# KiCad board A64-OlinuXino_Rev_E.kicad_pcb (continued)
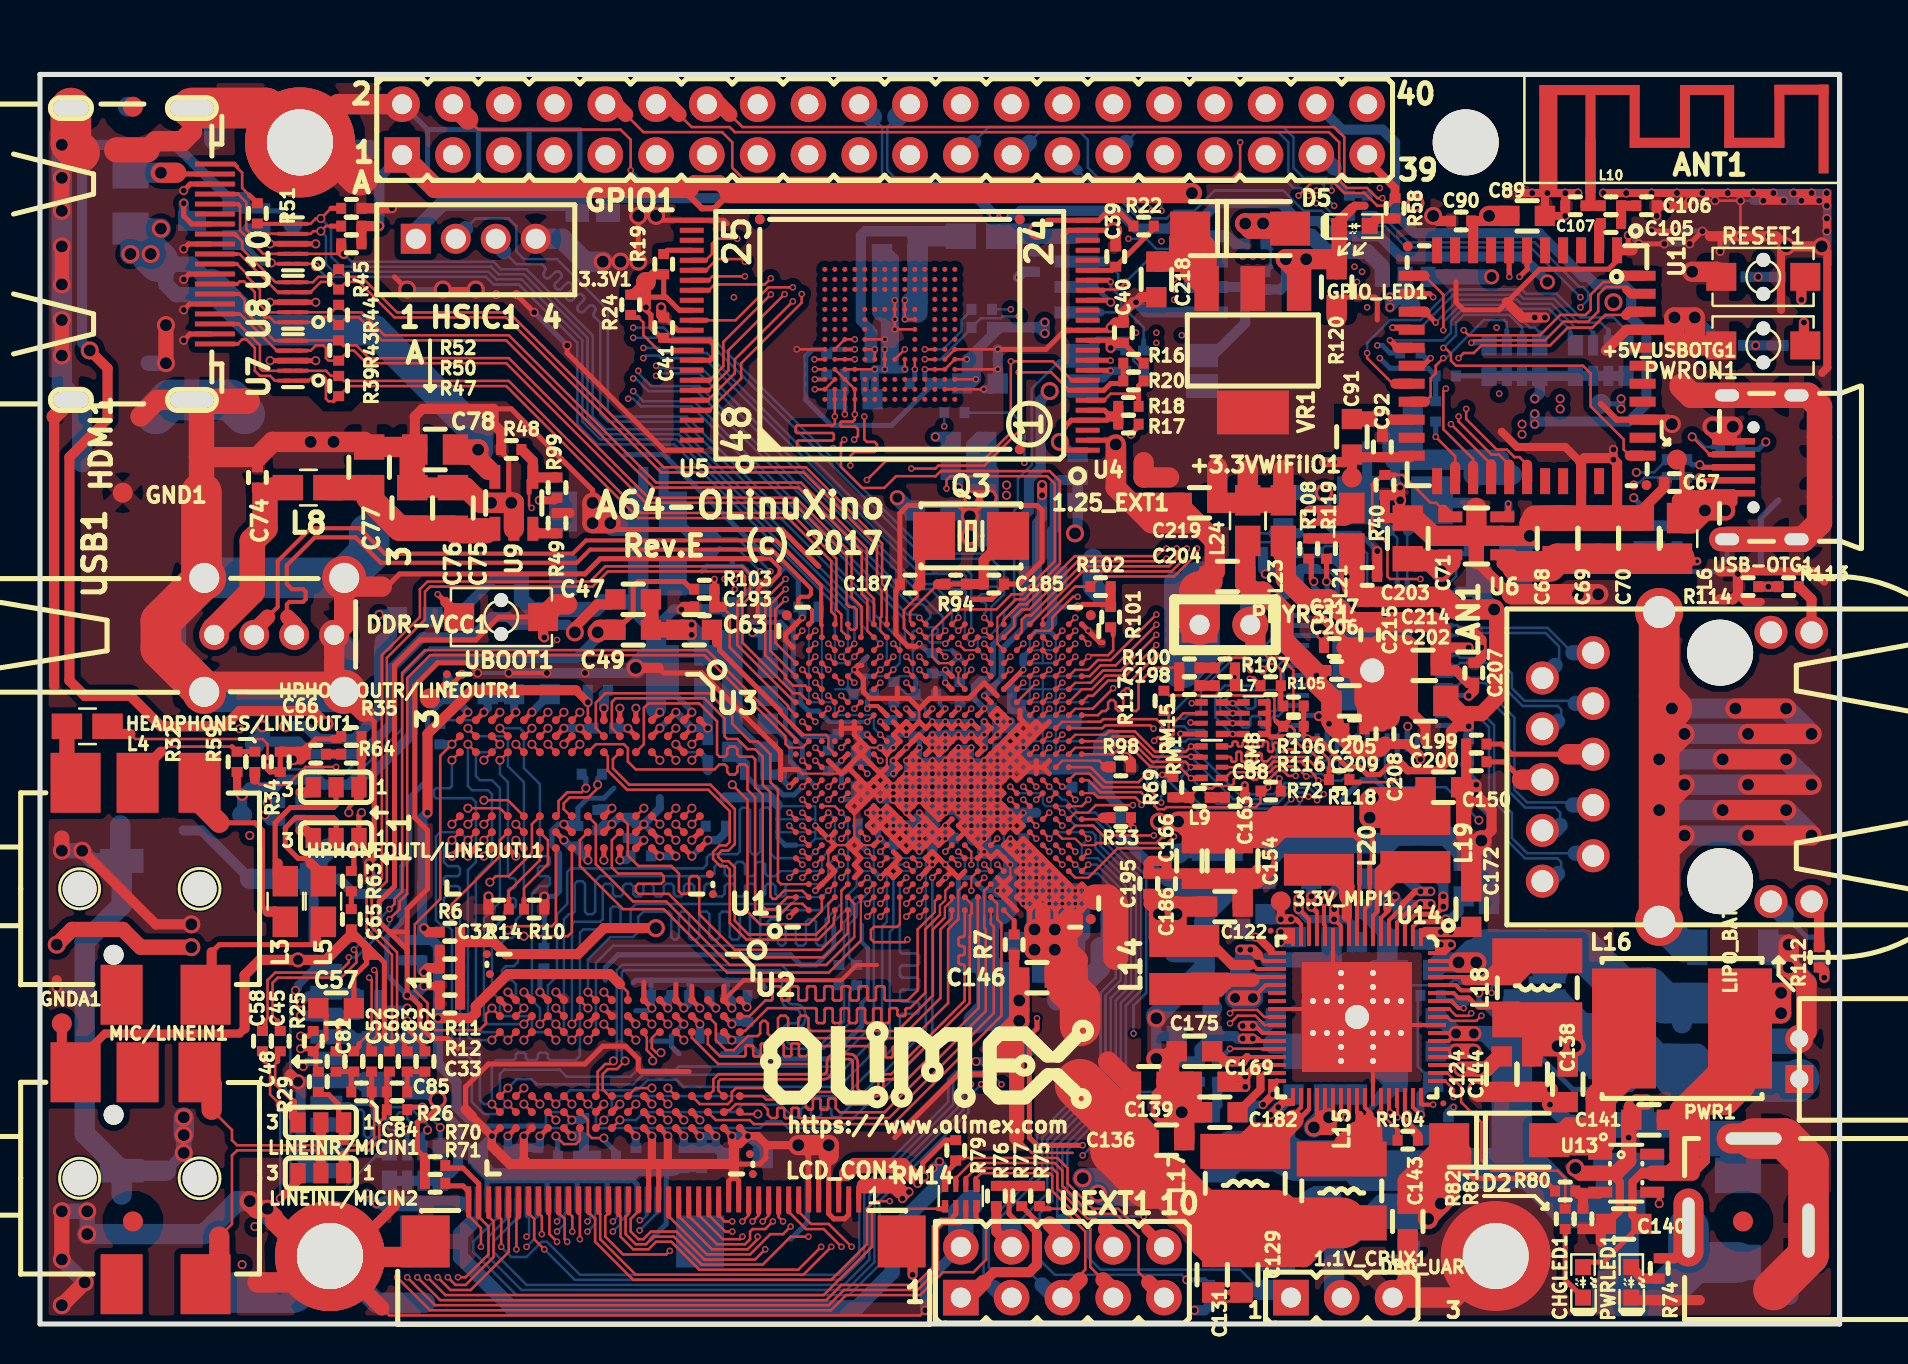
[diagram p0: board, top side]
## Routing (per net, layer and track width the routed paths; a pad name or vN(x,y) marks a point on that pad's centre or on a via; arc(x,y) is an arc through that point) (continued)
GNDA: length 117
  Top w0.254: 15.7,16.31 15.7,17.4 16.33,18.03 16.33,18.34 16.71,18.34 ; v3(18.36,15.16) 18.36,14.78 19.13,14.02 19.13,13.77 C62.2 ; C57.1 15.7,15.67 14.94,14.91 14.94,13.77 C48.1 ; 13.41,28.88 13.79,29.26 14.68,29.26 ; 16.46,18.85 16.33,18.85 ; 16.46,18.85 C65.1 ; 16.46,18.85 16.97,18.34 ; 16.71,18.34 16.33,18.72 ; 16.71,18.34 16.97,18.34 ; 15.32,19.23 15.95,19.23 ; 16.97,18.34 17.22,18.08 17.22,14.28 ; U1.A11 v4(37.47,26.88)
  Top w0.406: 1.53,12.81 3.25,14.53 9.98,14.53 10.24,14.78 ; 15.57,19.48 15.7,19.48 16.33,18.85 16.33,18.34 ; 14.68,29.26 14.94,29.26 R35.1 ; 13.41,28.88 13.16,28.63 C66.1 ; MIC/LINEIN1.2 1.78,12.81
  Top w0.508: 10.24,14.78 10.24,17.45 11,18.21 v1(12.9,18.21) 14.3,18.21 15.57,19.48 ; GNDA1.1 1.09,13.28 MIC/LINEIN1.2 ; v6(12.65,28.25) 13.03,28.25 C66.1 13.16,28.63 R34.1 ; C65.1 15.57,19.61 ; C49.2 30.56,34.98 ; v3(32.59,34.98) 32.08,34.98 C63.2 32.08,34.47 v3(32.59,34.47) v3(32.59,34.98)
  Top w0.762: 30.56,34.98 C47.1 ; C63.2 C49.2
  In2.Cu w0.254: v1(12.9,18.21) 12.9,17.58 13.79,16.69 14.81,16.69 16.33,15.16 v3(18.36,15.16)
  In2.Cu w0.508: v1(12.9,18.21) 12.39,18.72 12.39,27.99 v6(12.65,28.25)
  In4.Cu w0.508: 31.76,34.98 32.27,34.47 v3(32.59,34.47) v3(32.59,34.98) 31.76,34.98 ; 31.76,34.98 31.13,35.61 25.48,35.61 23.19,33.33 18.87,33.33 17.98,32.44 17.98,30.9 16.34,29.26 13.69,29.26 12.68,28.25 v6(12.65,28.25)
  Bottom w0.254: 39.45,29.39 39.78,29.39 C46.2 ; 39.45,29.39 38.18,29.39 37.67,29.9 37.67,31.67 37.29,32.06 37.29,34.85 37.03,35.1 35.25,35.1 35,34.85 35,34.59 C54.1 ; 39.45,29.39 39.57,29.26 39.57,28.83 C50.1
  Bottom w0.305: C51.2 37.09,27.26 v4(37.47,26.88) ; 34.82,30.02 36.22,28.63 ; 36.14,28.63 C59.2 ; C53.2 34.75,30.02
  Bottom w0.508: C51.2 37.07,27.48 R27.2 36.27,28.5 C59.2 ; 32.59,34.34 33.22,33.71 R36.2 33.22,34.34 v3(32.59,34.98) v3(32.59,34.47) 32.59,34.34
  Bottom w1.016: R36.2 34.49,33.45 34.62,33.58 ; C53.2 C55.2 C56.1 34.62,33.58 ; C54.1 34.62,33.58
VBAT: length 28.2
  Top w0.203: v3(71.96,16.56) 71.83,16.69 71.07,16.69 70.8,16.95 U14.64
  Bottom w0.254: v3(71.96,16.56) 71.96,16.18 72.85,15.29 74.24,15.29 75.01,14.53 75.01,13.39 76.66,11.73 79.58,11.73 R78.2
  Bottom w1.016: C135.2 80.97,13.51 R78.2 81.36,13.51 82.88,13.51 83.39,13 83.39,12.37
  Bottom w1.524: R78.2 81.74,12.37
  Bottom w2.032: 81.74,12.37 83.39,12.37 83.64,12.12 C180.2 87.85,12.12 LIPO_BAT1.1
VCC-PC: length 78.8
  Top w0.127: v4(40.75,48.75) U5.C6 ; U5.P3 v4(46.8,47.25) ; v4(44.25,47.75) U5.M4 U5.N4 U5.P5 v4(46.35,48.25)
  Top w0.254: U1.R16 v4(47.22,30.78)
  In2.Cu w0.508: 51.15,50.45 v3(50.25,49.55) v3(50.25,50.1) 50.62,50.47 55.07,50.47 55.32,50.22 66.88,50.22 v3(67.51,50.85) v3(67.51,51.36)
  In3.Cu w0.508: v3(50.25,49.55) 50.5,49.3 50.5,46.66 v2(50.5,46.66)
  Bottom w0.254: v4(40.75,48.75) 39.59,48.75 R67.2 39.32,48.51 39.08,48.75 38.65,48.75 38.3,48.4 38.3,46.22 39.57,44.95 42.6,44.95 44.51,46.86 R23.2 44.25,47.31 v4(44.25,47.75)
  Bottom w0.305: 48.72,35.48 48.72,35.03 47.66,33.97 47.66,32.53 47.4,32.27 ; 47.4,32.27 47.37,32.27 ; 47.4,32.27 47.07,32.27 46.7,31.9 46.7,31.3 v4(47.22,30.78) 47.25,30.8 C34.2
  Bottom w0.508: 68.02,51.36 67.89,51.23 67.89,51.36 v3(67.51,51.36) v3(67.51,50.85) 68.02,51.36 ; 68.02,51.36 68.15,51.36 VCC-PC1.1 ; 49.65,49.85 50,49.85 v3(50.25,50.1) v3(50.25,49.55) 49.95,49.85 49.65,49.85 ; 49.65,49.85 48.1,49.85 ; C35.2 46.89,47.82 ; C35.2 46.6,48.25 ; C35.2 46.89,48.74 ; 46.89,47.82 46.8,47.73 v4(46.8,47.25) ; 46.89,47.82 C36.2 ; v4(46.35,48.25) 46.8,47.8 v4(46.8,47.25) ; v4(46.35,48.25) 46.35,47.28 C36.2 ; v4(46.35,48.25) 46.6,48.25 ; 48.72,35.48 49.22,35.99 49.22,40.44 49.46,40.67 49.46,42.23 50.05,42.82 50.05,46.21 v2(50.5,46.66) ; v4(46.8,47.25) 46.59,47.04 C36.2 ; v4(46.8,47.25) 46.32,47.25 C36.2 ; 48.1,49.85 48,49.85 47.61,49.46 ; 48.1,49.85 R21.2 47.61,49.46 ; 46.6,48.25 46.4,48.25 46.89,48.74 ; 47.61,49.46 46.89,48.74 ; C36.2 44.52,47.04 R23.2
  Bottom w0.762: 67.89,51.36 68.28,51.74 PWR_PC1.2
VCC-PE: length 90.3
  Top w0.203: v3(60.66,14.91) 60.78,14.91 61.14,14.55 U14.28
  Top w0.508: v3(60.66,14.91) v3(60.15,14.91)
  In2.Cu w0.508: v3(74.12,45.01) v3(74.12,44.5) 73.99,44.37 72.85,44.37 70.94,42.47 57.61,42.47 56.34,41.2 53.42,41.2 51.76,39.55 v2(51.76,39.55)
  In3.Cu w0.508: GPIO1.40 67.77,59.61 67.77,54.66 69.04,53.39 70.31,53.39 72.59,51.1 73.48,51.1 74.12,50.47 v3(74.12,45.01) v3(74.12,44.5) 73.23,43.61 72.71,43.61 70.68,41.58 69.67,41.58 67.51,39.42 66.62,39.42 66.12,38.91 66.12,38.41 66.62,37.9 66.62,36.75 64.85,34.98 64.85,34.21 64.59,33.96 64.59,30.91 65.23,30.28 65.23,27.61 64.97,27.36 64.97,24.31 65.38,23.9 65.38,20.02 64.97,19.61 63.83,19.61 61.54,17.32 61.54,15.8 v3(60.66,14.91) v3(60.15,14.91)
  Bottom w0.508: v2(51.76,39.55) 51.89,39.68 3.3V/VCC-PE:2.8V1.1 ; v3(60.15,14.91) v3(60.66,14.91) 61.42,14.91 C171.1
VCC-PL: length 104.2
  Top w0.203: 61.04,14.15 60.78,14.15 v3(60.66,14.28) 60.92,14.28 61.04,14.15 ; 61.04,14.15 U14.29
  Top w0.254: v4(42.68,30.78) U1.J16
  Top w0.508: v3(60.66,14.28) v3(60.15,14.28)
  In2.Cu w0.107: 43,33.7 43,32.4 43.53,32.4 43.65,32.53 43.65,33.71 43.65,33.7 ; 42.35,32.4 42.35,34.35
  In2.Cu w0.127: 43,33.7 43,33.83 43.13,33.96 43.4,33.96 43.65,33.71
  In2.Cu w0.254: 42.35,32.4 42.68,32.08 43,32.4 ; 43.13,33.96 43.13,34.22 42.68,34.67 42.35,34.67
  In2.Cu w0.305: 42.35,34.35 42.35,34.67
  In2.Cu w0.406: 42.68,32.08 v4(42.68,30.78)
  In2.Cu w0.508: v3(76.02,45.77) v3(76.02,46.28) 75.39,46.91 74.14,46.91 73.13,45.9 72.34,45.9 70.18,43.74 56.84,43.74 55.57,42.47 50.6,42.47 49.47,43.6 45.2,43.6 43.64,42.03 43.64,40.82 42.75,39.93 42.75,35.48 42.49,35.23 42.49,34.67
  In3.Cu w0.508: v3(76.02,46.28) v3(76.02,45.77) 76.02,45.39 73.61,42.98 72.97,42.98 70.94,40.95 70.05,40.95 67.26,38.15 67.26,36.37 65.61,34.72 65.61,33.96 65.35,33.71 65.35,31.17 65.99,30.53 65.99,27.36 65.61,26.97 65.61,24.69 66.07,24.23 66.07,19.69 65.35,18.97 64.21,18.97 62.18,16.94 62.18,15.42 61.04,14.28 v3(60.66,14.28) v3(60.15,14.28)
  Bottom w0.254: C109.1 42.68,31.07 v4(42.68,30.78)
  Bottom w0.406: VCC-PL1.1 C173.1
  Bottom w0.508: R90.2 R88.2 57.99,13.77 C173.1 59.77,14.4 59.89,14.28 v3(60.15,14.28) v3(60.66,14.28)
VDDFB-CPUX: length 36.9
  Top w0.127: v3(65.35,10.34) 65.06,10.63 65.06,10.69 ; U1.T6 v4(47.88,24.28)
  Top w0.203: v3(65.35,10.34) 65.46,10.45 U14.42 ; U14.41 65.06,10.69
  Top w0.254: v4(49.86,15.29) 49.86,14.78 49.48,14.4 49.48,9.32 49.86,8.94 v4(52.15,8.94)
  In2.Cu w0.107: 48.2,24.6 48.85,24.6 ; 49.5,23.95 49.5,20.7
  In2.Cu w0.127: 48.85,24.6 49.5,23.95 ; v4(49.86,15.29) 49.86,17.58 48.97,18.47 48.97,19.99 49.5,20.52 49.5,20.7 ; v4(47.88,24.28) 48.2,24.6
  In3.Cu w0.254: v3(65.35,10.34) 65.35,9.96 64.34,8.94 v4(52.15,8.94)
/NAND Flash , eMMC, T-Card and Audio/HP-DET: length 41.9
  Top w0.127: v4(14.81,27.86) 13.28,27.86 12.39,26.97 11,26.97 10.74,27.23 ; U1.D11 v4(39.43,26.88)
  Top w0.508: R59.2 10.74,27.23
  In2.Cu w0.107: 38.18,30.78 38.29,30.67 38.72,30.67 39.43,29.97 v4(39.43,26.88)
  In2.Cu w0.127: v4(14.81,27.86) 14.94,27.99 15.7,27.99 17.6,29.9 17.6,32.82 20.02,35.23 20.52,35.23 22.56,37.26 23.57,37.26 24.08,36.75 31.7,36.75 33.99,34.47 33.99,34.09 34.87,33.2 35.51,33.2 36.65,32.06 36.91,32.06 38.18,30.78
/NAND Flash , eMMC, T-Card and Audio/HPOUTFB: length 48.8
  Top w0.127: v4(38.78,26.22) U1.C10 ; v4(11.38,28.12) 11.38,29.01 11.12,29.26 4.78,29.26 4.52,29.52
  Top w0.254: v4(11.38,28.12) 11.38,27.74 11.51,27.61 R34.2
  Top w0.508: 4.52,29.52 3.76,29.52 L4.1
  In2.Cu w0.107: U1.C10 39.1,29.15
  In2.Cu w0.127: 39.1,29.15 38.58,29.67 38.05,29.67 36.69,31.04 36.14,31.04 35,32.18 32.72,32.18 30.43,34.47 28.91,34.47 28.27,33.83 26.24,33.83 v4(25.86,34.21) ; v4(38.78,26.22) U1.C10
  Bottom w0.127: v4(11.38,28.12) 11.76,27.74 14.17,27.74 14.43,27.48 15.19,27.48 15.7,27.99 16.33,27.99 18.11,29.77 18.11,32.44 19.51,33.83 25.48,33.83 v4(25.86,34.21)
/NAND Flash , eMMC, T-Card and Audio/HPOUTL: length 33.8
  Top w0.127: v4(38.78,28.83) U1.C13
  Top w0.254: R63.2 15.7,22.78 15.7,24.05 HPHONEOUTL/LINEOUTL1.1 15.95,25.45 v3(16.08,25.58)
  In2.Cu w0.203: v3(16.08,25.58) 16.2,25.58 19.25,28.63 19.25,31.93 20.78,33.45 28.78,33.45 29.29,33.96 30.3,33.96 32.46,31.8 34.75,31.8 35.89,30.66 36.65,30.66 38.18,29.13 38.47,29.13 v4(38.78,28.83)
/NAND Flash , eMMC, T-Card and Audio/HPOUTR: length 35.9
  Top w0.127: v4(38.78,28.17) U1.C12
  Top w0.203: 15.95,26.34 15.44,25.83 v3(15.44,25.58)
  Top w0.406: R35.2 R64.2 16.08,26.97 HPHONEOUTR/LINEOUTR1.1
  Top w0.508: 15.95,26.34 HPHONEOUTR/LINEOUTR1.1
  In2.Cu w0.203: v3(15.44,25.58) 15.44,25.45 15.82,25.07 16.33,25.07 19.63,28.37 19.63,31.8 20.9,33.07 29.03,33.07 29.54,33.58 30.05,33.58 32.21,31.42 34.49,31.42 35.64,30.28 36.53,30.28 38.05,28.75 38.2,28.75 v4(38.78,28.17)
/NAND Flash , eMMC, T-Card and Audio/LINEINL: length 45.6
  Top w0.107: 38.12,28.83 37.47,28.83
  Top w0.127: 11.25,15.16 11.38,15.29 11.38,17.2 11.76,17.58 14.94,17.58 15.44,18.08 v4(15.44,18.34) ; U1.B14 38.12,28.83 ; v4(17.47,20.24) 17.98,20.75 17.98,21.13 18.36,21.51 18.36,32.31 19.51,33.45 33.22,33.45 37.29,29.39 37.29,29.01 37.47,28.83
  Top w0.254: 11.25,15.16 11.25,14.78 C58.2
  Bottom w0.127: v4(15.44,18.34) 15.82,18.34 17.47,19.99 v4(17.47,20.24)
/NAND Flash , eMMC, T-Card and Audio/LINEINR: length 44.8
  Top w0.127: U1.A14 37.8,29.26 33.35,33.71 19.25,33.71 18.11,32.56 18.11,21.64 17.73,21.26 17.73,21.01 v4(17.47,20.75) ; 11.89,15.16 11.63,15.42 11.63,17.07 11.89,17.32 15.06,17.32 15.82,18.08 15.82,18.59 v4(15.7,18.72)
  Top w0.254: 11.89,15.16 11.89,14.78 C45.2
  Bottom w0.127: v4(15.7,18.72) 17.09,20.12 17.09,20.37 v4(17.47,20.75)
/NAND Flash , eMMC, T-Card and Audio/LINEOUTL: length 42.9
  Top w0.127: U1.D16 v4(40.07,30.78)
  In2.Cu w0.107: 39.75,31.1 39.75,31.58 39.57,31.75 38.45,31.75
  In2.Cu w0.127: v4(40.07,30.78) 39.75,31.1 ; v3(11.25,25.45) 10.74,25.96 10.74,28.63 11.51,29.39 15.19,29.39 16.71,30.91 16.71,33.33 19.51,36.12 20.14,36.12 22.17,38.15 24.33,38.15 24.97,37.52 32.21,37.52 35,34.72 35,34.47 35.38,34.09 35.89,34.09 37.03,32.94 37.26,32.94 38.45,31.75
  Bottom w0.508: v3(11.25,25.45) 11.51,25.2 C87.1
/NAND Flash , eMMC, T-Card and Audio/LINEOUTR: length 41
  Top w0.127: U1.C16 v4(39.43,30.78)
  In2.Cu w0.107: 38.43,31.27 38.6,31.1 39.1,31.1 v4(39.43,30.78)
  In2.Cu w0.127: 38.43,31.27 37.01,32.69 36.91,32.69 35.76,33.83 35.13,33.83 34.75,34.21 34.75,34.59 32.08,37.26 24.71,37.26 24.08,37.9 22.3,37.9 20.27,35.86 19.76,35.86 16.97,33.07 16.97,30.78 15.32,29.13 11.63,29.13 11,28.5 11,26.34 11.25,26.09 v3(11.38,26.09)
  Bottom w0.508: 11.76,26.09 v3(11.38,26.09) C86.1
/NAND Flash , eMMC, T-Card and Audio/MBIAS: length 53.8
  Top w0.127: U1.E14 v4(40.07,28.83)
  Top w0.254: v3(13.03,14.4) 13.41,14.4 R25.2
  In2.Cu w0.107: 38.3,31.03 38.45,30.89 38.83,30.89 40.07,29.64 v4(40.07,28.83)
  In2.Cu w0.127: v3(13.03,14.4) 12.52,14.4 12.14,14.78 12.14,17.83 11.89,18.08 11.89,28.37 12.27,28.75 15.82,28.75 17.35,30.28 17.35,32.94 19.89,35.48 20.4,35.48 22.43,37.52 23.7,37.52 24.21,37.01 31.83,37.01 34.24,34.59 34.24,34.21 35,33.45 35.64,33.45 36.78,32.31 37.03,32.31 38.3,31.03
/NAND Flash , eMMC, T-Card and Audio/MICIN1N: length 47.5
  Top w0.127: v4(16.46,17.32) 16.59,17.2 16.59,14.66 15.95,14.02 ; U1.B16 v4(38.78,30.12)
  Top w0.254: 15.95,14.02 15.95,13.89 C82.2
  In2.Cu w0.107: 37.92,30.66 38.13,30.45 38.45,30.45 v4(38.78,30.12)
  In2.Cu w0.127: 37.92,30.66 36.88,31.7 36.45,31.7 35.31,32.84 33.1,32.84 29.95,35.99 23.95,35.99 23.44,35.48 22.17,35.48 21.16,34.47 20.52,34.47 18.36,32.31 18.36,29.13 15.95,26.72 15.19,26.72 14.43,25.96 14.43,18.21 15.21,17.42 16.36,17.42 v4(16.46,17.32)
/NAND Flash , eMMC, T-Card and Audio/MICIN1P: length 46.2
  Top w0.127: v4(16.71,17.7) 16.84,17.58 16.84,14.4 16.46,14.02 ; U1.B15 v4(38.12,30.12)
  Top w0.254: 16.46,14.02 16.46,13.77 C52.2
  In2.Cu w0.127: v4(16.71,17.7) 15.32,17.7 14.71,18.31 14.71,25.83 15.32,26.44 16.08,26.44 18.64,29.01 18.64,32.18 20.65,34.19 21.28,34.19 22.3,35.2 23.57,35.2 24.08,35.71 29.82,35.71 32.97,32.56 35.18,32.56 36.32,31.42 36.78,31.42 38.07,30.12 v4(38.12,30.12)
/NAND Flash , eMMC, T-Card and Audio/MICIN2N: length 49.1
  Top w0.127: U1.A17 37.73,31.1 34.87,33.96 34.87,36.12 35.25,36.5 35.25,37.39 35,37.64 28.4,37.64 27.64,36.88 19.51,36.88 19.25,36.63 19.25,35.23 17.35,33.33 17.35,22.15 16.59,21.39 16.59,19.86 17.86,18.59 17.86,14.4 18.24,14.02
  Top w0.254: 18.24,14.02 18.24,13.77 C83.2
/NAND Flash , eMMC, T-Card and Audio/MICIN2P: length 50.1
  Top w0.127: 35.13,37.9 35.51,37.52 35.51,36.37 35.13,35.99 35.13,34.09 37.67,31.55 38,31.55 U1.B17 ; 35.13,37.9 35.13,37.9 ; 35.13,37.9 28.27,37.9 27.51,37.13 19.38,37.13 19,36.75 19,35.36 17.09,33.45 17.09,22.28 16.33,21.51 16.33,19.74 17.6,18.47 17.6,14.02
  Top w0.254: 17.6,14.02 17.6,13.77 C60.2
/NAND Flash , eMMC, T-Card and Audio/NAND0-DQ0/SDC2-D0: length 37.4
  Top w0.127: 33.29,53.2 33.6,53.52 33.6,54.03 33.86,54.28 v4(34.87,54.28) ; U5.A3 v4(38.75,47.25) ; U1.M21 v4(45.28,33.38)
  Top w0.254: U4.29 33.29,53.2
  In3.Cu w0.107: U1.M21 44.95,35
  In3.Cu w0.127: v4(45.28,33.38) U1.M21 ; v4(34.87,54.28) 36,53.15 36,51.26 37.15,50.12 38.21,50.12 39.3,49.03 39.3,47.8 v4(38.75,47.25) 38.24,46.74 38.24,45.58 39,44.82 42.69,44.82 44.46,43.05 44.46,40.67 44.56,40.56 44.97,40.56 45.03,40.5 45.03,40.25 44.97,40.18 44.53,40.18 44.46,40.12 44.46,39.87 44.53,39.8 44.97,39.8 45.03,39.74 45.03,39.48 44.97,39.42 44.53,39.42 44.46,39.35 44.46,39.11 44.53,39.04 44.97,39.04 45.03,38.98 45.03,38.72 44.97,38.66 44.53,38.66 44.46,38.59 44.46,38.34 44.53,38.28 44.97,38.28 45.03,38.21 45.03,37.83 44.97,37.77 44.72,37.77 44.65,37.71 44.65,36.75 44.46,36.56 44.46,36.25 44.95,35.76 44.95,35
  Bottom w0.254: R67.1 39.11,47.25 v4(38.75,47.25)
/NAND Flash , eMMC, T-Card and Audio/NAND0-DQ1/SDC2-D1: length 32.4
  Top w0.127: 33.3,52.7 33.86,53.26 35.13,53.26 v4(35.25,53.14) ; U5.A4 v4(38.75,47.75) ; v4(43.97,32.72) U1.L19
  Top w0.254: U4.30 33.3,52.7
  In3.Cu w0.127: v4(43.97,32.72) 44.62,33.38 44.62,35.7 44.23,36.1 44.23,36.71 44.4,36.88 44.4,37.71 44.23,37.88 44.23,42.95 42.61,44.56 38.87,44.56 37.92,45.52 37.92,46.92 v4(38.75,47.75) 39.07,48.07 39.07,48.93 38.12,49.88 37.05,49.88 35.65,51.28 35.65,52.74 v4(35.25,53.14)
  Bottom w0.254: 35.27,53.15 v4(35.25,53.14)
/NAND Flash , eMMC, T-Card and Audio/NAND0-DQ2/SDC2-D2: length 33.6
  Top w0.127: U1.K20 v4(43.32,33.38) ; 33.43,52.2 33.63,52.4 v4(35.25,52.4) ; U5.A5 v4(38.73,48.25)
  Top w0.254: U4.31 33.43,52.2
  In3.Cu w0.127: v4(35.25,52.4) 35.25,51.35 36.96,49.65 38.02,49.65 38.73,48.94 v4(38.73,48.25) 38.4,47.92 37.97,47.92 37.71,48.18 37.29,48.18 37.16,48.06 37.16,47.8 37.29,47.68 37.54,47.68 37.67,47.55 37.67,47.3 37.54,47.17 37.29,47.17 37.16,47.04 37.16,46.79 37.29,46.66 37.54,46.66 37.67,46.53 37.67,46.28 37.54,46.15 37.29,46.15 37.16,46.02 37.16,45.77 37.29,45.64 37.54,45.64 37.67,45.52 37.67,45.26 37.54,45.14 37.29,45.14 37.16,45.01 37.16,44.76 37.29,44.63 37.86,44.63 38.05,44.44 38.05,44.12 38.18,43.99 38.49,43.99 38.68,44.18 39.77,44.18 40.1,43.85 41.62,43.85 42.24,43.23 42.24,41.07 43.32,39.99 v4(43.32,33.38)
/NAND Flash , eMMC, T-Card and Audio/NAND0-DQ3/SDC2-D3: length 37.7
  Top w0.127: 33.44,51.7 33.73,51.99 36.24,51.99 v4(36.55,52.3) ; U5.B2 v4(39.75,45.39) 39.75,45.03 39.66,44.95 37.86,44.95 37.79,44.88 37.79,44.63 37.86,44.56 39.64,44.56 39.7,44.5 39.7,44.26 39.62,44.18 37.92,44.18 37.86,44.12 37.86,43.87 37.91,43.81 v4(39.67,43.81) ; U1.H20 v4(42.68,33.38)
  Top w0.254: U4.32 33.44,51.7
  In3.Cu w0.107: 43,33.7 43,34.35
  In3.Cu w0.127: 43,34.35 43,35.17 ; 43,35.17 43,35.23 ; 43,35.17 43,39.93 41.99,40.95 41.99,42.85 41.54,43.29 41.54,43.55 41.48,43.61 41.35,43.61 41.29,43.55 41.29,43.36 41.22,43.29 41.1,43.29 41.03,43.36 41.03,43.55 40.97,43.61 40.84,43.61 40.78,43.55 40.78,43.36 40.72,43.29 40.53,43.29 40.46,43.36 40.46,43.55 40.4,43.61 40.27,43.61 40.14,43.48 40,43.48 v4(39.67,43.81) ; v4(39.75,45.39) 39.77,45.41 39.77,49.22 38.41,50.58 37.34,50.58 36.9,51.03 36.9,51.95 v4(36.55,52.3) ; v4(42.68,33.38) 43,33.7
/NAND Flash , eMMC, T-Card and Audio/NAND0-DQ4/SDC2-D4: length 37.2
  Top w0.107: 45.93,32.08 v4(45.93,32.72)
  Top w0.127: v4(38.75,46.75) 39.25,46.75 U5.B3 ; 33.48,47.2 34.18,47.9 34.18,49.12 v4(36.55,51.5) ; U1.P18 45.93,32.08
  Top w0.254: 33.44,47.2 33.48,47.2 U4.41
  In3.Cu w0.107: 45.29,35.31 45.6,35 45.6,33.05
  In3.Cu w0.127: v4(36.55,51.5) 36.55,51.05 37.25,50.35 38.31,50.35 39.53,49.13 39.53,47.53 v4(38.75,46.75) 38.75,46.34 38.81,46.28 39.32,46.28 39.38,46.22 39.38,46.02 39.32,45.96 38.68,45.96 38.62,45.9 38.62,45.71 38.68,45.64 39.32,45.64 39.38,45.58 39.38,45.39 39.32,45.33 39.13,45.33 39.06,45.26 39.06,45.14 39.14,45.06 42.78,45.06 44.69,43.15 44.69,41.41 45.29,40.82 45.29,37.71 44.97,37.39 44.97,36.12 45.29,35.8 45.29,35.31 ; v4(45.93,32.72) 45.6,33.05
/NAND Flash , eMMC, T-Card and Audio/NAND0-DQ5/SDC2-D5: length 39.9
  Top w0.127: U5.B4 40.75,46.75 v4(40.75,45.5) 40.75,45.23 40.65,45.14 40.08,45.14 40.02,45.07 40.02,44.95 40.08,44.88 40.78,44.88 40.91,44.76 40.91,44.42 v4(40.72,44.23) ; v4(37.23,51.51) 34.43,48.7 34.43,47.7 33.43,46.7 ; U1.L20 v4(43.97,33.38)
  Top w0.254: U4.42 33.43,46.7
  In3.Cu w0.107: 44.3,33.7 44.3,35.65
  In3.Cu w0.127: v4(43.97,33.38) 44.3,33.7 ; v4(40.72,44.23) 42.57,44.23 42.94,43.87 42.94,43.68 42.88,43.61 42.56,43.61 42.49,43.55 42.49,43.36 42.56,43.29 42.88,43.29 42.94,43.23 42.94,43.04 42.88,42.98 42.56,42.98 42.49,42.91 42.49,42.72 42.56,42.66 42.88,42.66 42.94,42.6 42.94,42.41 42.88,42.34 42.56,42.34 42.49,42.28 42.49,41.96 42.56,41.9 43.07,41.9 43.19,42.02 43.19,42.98 43.36,43.15 43.7,43.15 43.91,42.93 43.91,37.82 44.15,37.59 44.15,37.01 43.91,36.78 43.91,36.04 44.3,35.65 ; v4(37.23,51.51) 37.23,51.07 37.49,50.82 38.5,50.82 40,49.32 40,46.25 v4(40.75,45.5)
/NAND Flash , eMMC, T-Card and Audio/NAND0-DQ6/SDC2-D6: length 35.6
  Top w0.127: 34.75,47.55 34.74,47.55 ; 34.75,47.55 33.4,46.2 ; 34.75,47.55 34.75,48.25 v4(37.65,51.15) ; v4(40.75,48.25) U5.B5 ; U1.J21 v4(42.68,34.03) ; v4(41.22,45.39) 41.22,44.25 41.35,44.12 41.73,44.12 41.86,43.99 41.86,43.74 41.73,43.61 40.72,43.61 40.53,43.42 v4(40.53,42.94)
  Top w0.254: U4.43 33.4,46.2
  In3.Cu w0.127: v4(40.53,42.94) 41.47,42.94 41.73,42.67 41.73,40.82 42.24,40.31 42.24,39.94 42.38,39.8 42.62,39.8 42.75,39.67 42.75,39.55 42.62,39.42 42.37,39.42 42.24,39.29 42.24,39.17 42.37,39.04 42.62,39.04 42.75,38.91 42.75,38.79 42.62,38.66 42.37,38.66 42.24,38.53 42.24,38.41 42.37,38.28 42.62,38.28 42.75,38.15 42.75,38.02 42.62,37.9 42.37,37.9 42.24,37.77 42.24,37.64 42.37,37.52 42.62,37.52 42.75,37.39 42.75,37.26 42.62,37.13 42.37,37.13 42.24,37.01 42.24,36.88 42.37,36.75 42.62,36.75 42.75,36.63 42.75,36.5 42.62,36.37 42.37,36.37 42.24,36.25 42.24,36.12 42.37,35.99 42.62,35.99 42.75,35.86 42.75,35.74 42.62,35.61 42.37,35.61 42.24,35.48 42.24,35.36 42.37,35.23 42.52,35.23 42.68,35.07 v4(42.68,34.03) ; v4(37.65,51.15) 38.52,51.15 40.25,49.42 40.25,48.75 v4(40.75,48.25) 40.75,46.31 41.22,45.83 v4(41.22,45.39)
/NAND Flash , eMMC, T-Card and Audio/NAND0-DQ7/SDC2-D7: length 37
  Top w0.107: 46.25,33.7 U1.R21
  Top w0.127: 46.25,33.7 v4(45.93,34.03) ; v4(40.75,49.25) 40.25,49.25 U5.B6 ; v4(38.09,51.52) 38.09,51.08 35.06,48.06 35.06,47.29 33.48,45.7
  Top w0.254: 33.39,45.7 33.48,45.7 U4.44
  In3.Cu w0.107: 46.25,34.35 46.25,35.65
  In3.Cu w0.127: v4(38.09,51.52) 38.48,51.52 v4(40.75,49.25) 41.1,48.9 41.1,47.42 41.29,47.23 43.13,47.23 43.26,47.1 43.26,46.85 43.13,46.72 41.41,46.72 41.29,46.6 41.29,46.28 41.39,46.18 43.1,46.18 43.26,46.02 43.26,44.91 44.93,43.24 44.93,41.56 45.54,40.95 45.54,36.36 46.25,35.65 ; v4(45.93,34.03) 46.25,34.35
/NAND Flash , eMMC, T-Card and Audio/NAND0-DQS/SDC2-RST: length 46.2
  Top w0.107: 44.62,33.38 44.62,34.67 ; U1.N20 44.95,33.05
  Top w0.127: 44.95,33.05 44.62,33.38 ; v4(45.33,41.79) 45.33,42.21 45.53,42.41 50.37,42.41 50.75,42.02 50.75,38.15 49.1,36.5 48.59,36.5 47.83,35.74 45.69,35.74 44.62,34.67 ; U5.K5 v4(43.75,47.75) ; v4(37.65,51.85) 36.43,51.85 34.78,50.2 33.34,50.2
  Top w0.254: U4.35 33.34,50.2
  In3.Cu w0.127: v4(45.33,41.79) 45.33,43.17 44.34,44.16 44.34,45.01 44.21,45.14 43.88,45.14 43.75,45.26 43.75,45.58 43.88,45.71 44.84,45.71 44.97,45.83 44.97,46.09 44.84,46.22 43.88,46.22 43.75,46.34 43.75,46.6 43.88,46.72 44.84,46.72 44.97,46.85 44.97,47.1 44.84,47.23 43.88,47.23 43.75,47.36 v4(43.75,47.75) 43.25,48.25 41.7,48.25 41.35,48.6 41.35,49.14 38.64,51.85 v4(37.65,51.85)
  Bottom w0.254: v4(43.75,47.75) 43.75,47.31 R23.1
/NAND Flash , eMMC, T-Card and Audio/NAND0-RB0/SDC2-CMD: length 35.6
  Top w0.127: 51.47,46.7 50.57,47.6 v4(48.95,47.6) 48.95,44.65 47.23,42.93 44.93,42.93 44.78,42.79 v4(43.57,42.79) ; v4(43.32,32.72) U1.K19 ; U5.M5 v4(44.25,48.25)
  Top w0.254: 51.47,46.7 U4.7 53.21,46.7 53.54,47.04 54.05,47.04 R20.1 R16.1
  In3.Cu w0.107: 43.65,33.05 43.65,35.65
  In3.Cu w0.127: v4(48.95,47.6) v4(48.95,50.4) ; v4(43.57,42.79) 43.57,37.83 43.89,37.52 43.89,37.13 43.57,36.82 43.57,35.73 43.65,35.65 ; v4(43.32,32.72) 43.65,33.05
  Bottom w0.127: v4(48.95,50.4) 48.15,50.4 48.05,50.3 47.05,50.3 46.6,49.85 R21.1 46.59,49.81 45.03,48.25 44.25,48.25 v4(44.25,48.25)
/NAND Flash , eMMC, T-Card and Audio/NAND0-RE/SDC2-CLK: length 29.4
  Top w0.127: 51.6,47.2 50.66,48.15 v4(48.55,48.15) 48.55,44.58 47.13,43.17 42.3,43.17 v4(41.35,42.21) ; U1.G20 v4(42.03,33.38)
  Top w0.254: U4.8 51.6,47.2
  In3.Cu w0.107: 42.35,33.7 42.35,34.34
  In3.Cu w0.127: v4(42.03,33.38) 42.35,33.7 ; v4(41.35,42.21) 41.35,40.82 41.86,40.31 41.86,34.83 42.35,34.34 ; v4(48.55,48.15) v4(48.55,50.75)
  Bottom w0.127: R68.2 v4(48.55,50.75)
/NAND Flash , eMMC, T-Card and Audio/SDC0-CLK: length 1.5
  Top w0.127: 53.16,25.32 53.09,25.25 U1.AC8
  Top w0.508: 53.54,25.32 53.16,25.32
/NAND Flash , eMMC, T-Card and Audio/SDC0-CMD: length 65.6
  Top w0.127: U1.W9 v4(49.18,26.22)
  In2.Cu w0.107: 49.18,26.05 50.28,24.94 50.5,24.94
  In2.Cu w0.127: v4(49.18,26.22) 49.18,26.05 ; 50.5,24.94 50.88,24.56 51.89,24.56 52.02,24.69 52.53,24.69 52.78,24.44 52.78,22.64 52.78,17.83 51.51,16.56 51.51,14.28 50.62,13.39 49.99,13.39 48.21,11.61 43.26,11.61 39.95,8.31 22.68,8.31 21.28,9.7 21.28,10.47 20.65,11.1 20.65,11.48 20.14,11.99 18.36,11.99 14.68,15.67 14.68,16.05 14.55,16.18 14.43,16.18 14.3,16.05 14.3,15.55 14.17,15.42 14.05,15.42 13.92,15.55 13.92,16.05 13.79,16.18 13.67,16.18 13.54,16.05 13.54,15.55 13.41,15.42 v3(13.03,15.42)
  Bottom w0.508: R31.1 15.87,15.47 13.59,15.47 13.54,15.42 v3(13.03,15.42)
/NAND Flash , eMMC, T-Card and Audio/SDC0-D0: length 64.1
  Top w0.127: U1.W13 v4(49.82,28.83)
  In2.Cu w0.107: 49.5,27.2 49.5,26.07 50.32,25.25 51.45,25.25
  In2.Cu w0.127: v4(49.82,28.83) 49.82,27.81 49.5,27.48 49.5,27.2 ; v3(20.02,9.83) 20.02,10.21 20.14,10.34 20.78,10.34 20.9,10.21 20.9,9.58 20.78,9.45 20.52,9.45 20.4,9.32 20.4,9.19 20.52,9.07 21.41,9.07 22.43,8.05 40.08,8.05 43.38,11.35 48.34,11.35 50.11,13.13 50.75,13.13 51.76,14.15 51.76,16.43 53.03,17.7 53.03,22.53 53.03,22.53 53.03,24.56 52.35,25.25 51.45,25.25
  Bottom w0.127: v3(20.02,9.83) 19.51,10.34 19,10.34 18.49,10.85 17.6,10.85 17.47,10.72 17.47,10.34 17.35,10.21 16.71,10.21 16.59,10.34 16.59,10.85 16.46,10.97 15.44,10.97
  Bottom w0.254: 14.4,10.97 15.44,10.97 15.32,10.97 ; RM7.1.2 v3(20.02,9.83)
  Bottom w0.508: 14.31,11.07 14.4,10.97
/NAND Flash , eMMC, T-Card and Audio/SDC0-D1: length 64
  Top w0.127: U1.AB10 v4(51.78,26.22)
  In2.Cu w0.127: 51.76,26.21 53.29,24.69 53.29,22.38 53.29,17.58 52.02,16.31 52.02,14.02 50.88,12.88 50.24,12.88 48.46,11.1 43.51,11.1 40.21,7.8 21.03,7.8 20.9,7.92 20.9,8.05 21.03,8.18 21.54,8.18 21.67,8.31 21.67,8.43 21.54,8.56 20.27,8.56 20.02,8.81 20.02,9.19 19.89,9.32 19.63,9.32 19.38,9.58 v3(19.38,9.7)
  Bottom w0.127: v3(19.38,9.7) 19.38,9.96 19.25,10.08 18.54,10.08 18.36,10.26 18.36,10.47 18.24,10.59 17.98,10.59 17.86,10.47 17.86,9.83 17.73,9.7 17.47,9.7 17.22,9.96 16.71,9.96 16.59,9.83 16.59,9.45 16.46,9.32 16.33,9.32 16.2,9.45 16.2,10.59 16.08,10.72 15.95,10.72 15.82,10.59 15.82,9.07 15.7,8.94 15.57,8.94 15.44,9.07 15.44,10.08 15.32,10.21
  Bottom w0.254: v3(19.38,9.7) 19.13,9.45 RM7.2.2 ; 15.32,10.21 14.55,10.21 14.31,9.97
/NAND Flash , eMMC, T-Card and Audio/SDC0-D2: length 80.2
  Top w0.107: U1.AB9 52.1,25.9
  Top w0.127: 52.1,25.9 v4(52.43,26.22)
  In2.Cu w0.127: v3(12.78,16.69) 12.52,16.43 12.52,15.16 12.78,14.91 14.94,14.91 18.62,11.23 18.62,10.47 18.87,10.21 18.87,9.58 20.9,7.54 40.34,7.54 43.64,10.85 48.59,10.85 50.37,12.62 51,12.62 52.27,13.89 52.27,16.18 53.54,17.45 53.54,22.28 53.54,22.28 53.54,25.07 52.43,26.19 v4(52.43,26.22)
  Bottom w0.127: 16.84,8.43 15.19,6.78 12.78,6.78 12.52,7.04 12.52,11.48 12.27,11.73 12.27,12.5 12.52,12.75 12.52,16.43 v3(12.78,16.69)
  Bottom w0.254: 16.84,8.43 17.22,8.43 RM7.4.2
  Bottom w0.406: v3(12.78,16.69) 12.9,16.81 12.9,16.94 13.63,17.67 14.31,17.67
/NAND Flash , eMMC, T-Card and Audio/SDC0-D3: length 66
  Top w0.127: U1.AB6 v4(51.78,23.62)
  In3.Cu w0.107: 52.1,23.95 52.75,23.95
  In3.Cu w0.127: v4(51.78,23.62) 52.1,23.95 ; v3(13.03,16.05) 12.52,15.55 12.52,13.51 12.7,13.34 13.41,13.34 13.92,12.83 13.92,9.83 14.19,9.56 16.63,9.56 16.79,9.72 16.79,9.96 16.92,10.08 17.22,10.08 17.35,9.96 17.35,9.83 17.47,9.7 17.73,9.7 17.86,9.83 17.86,10.08 17.98,10.21 18.62,10.21 18.87,9.96 18.87,9.58 21.67,6.78 32.97,6.78 33.99,7.8 39.45,7.8 43.13,11.48 43.89,11.48 45.54,13.13 45.8,13.13 46.56,13.89 49.04,13.89 53.92,18.78 53.92,23.67 53.65,23.95 52.75,23.95